# Altium PCB OneBox.PcbDoc (part 1 of 13)
Units mm, origin at the board's own origin, x right, y up, seen from the top; angles counter-clockwise.
Board outline 101 x 69 mm, 6 copper layers (L1_Sig, L2_Gnd, L3_Pow, L4_Sig, L5_Gnd, L6_Sig), stack 1.538 mm thick; 766 components, 563 nets, 3133 pads, 2914 vias.
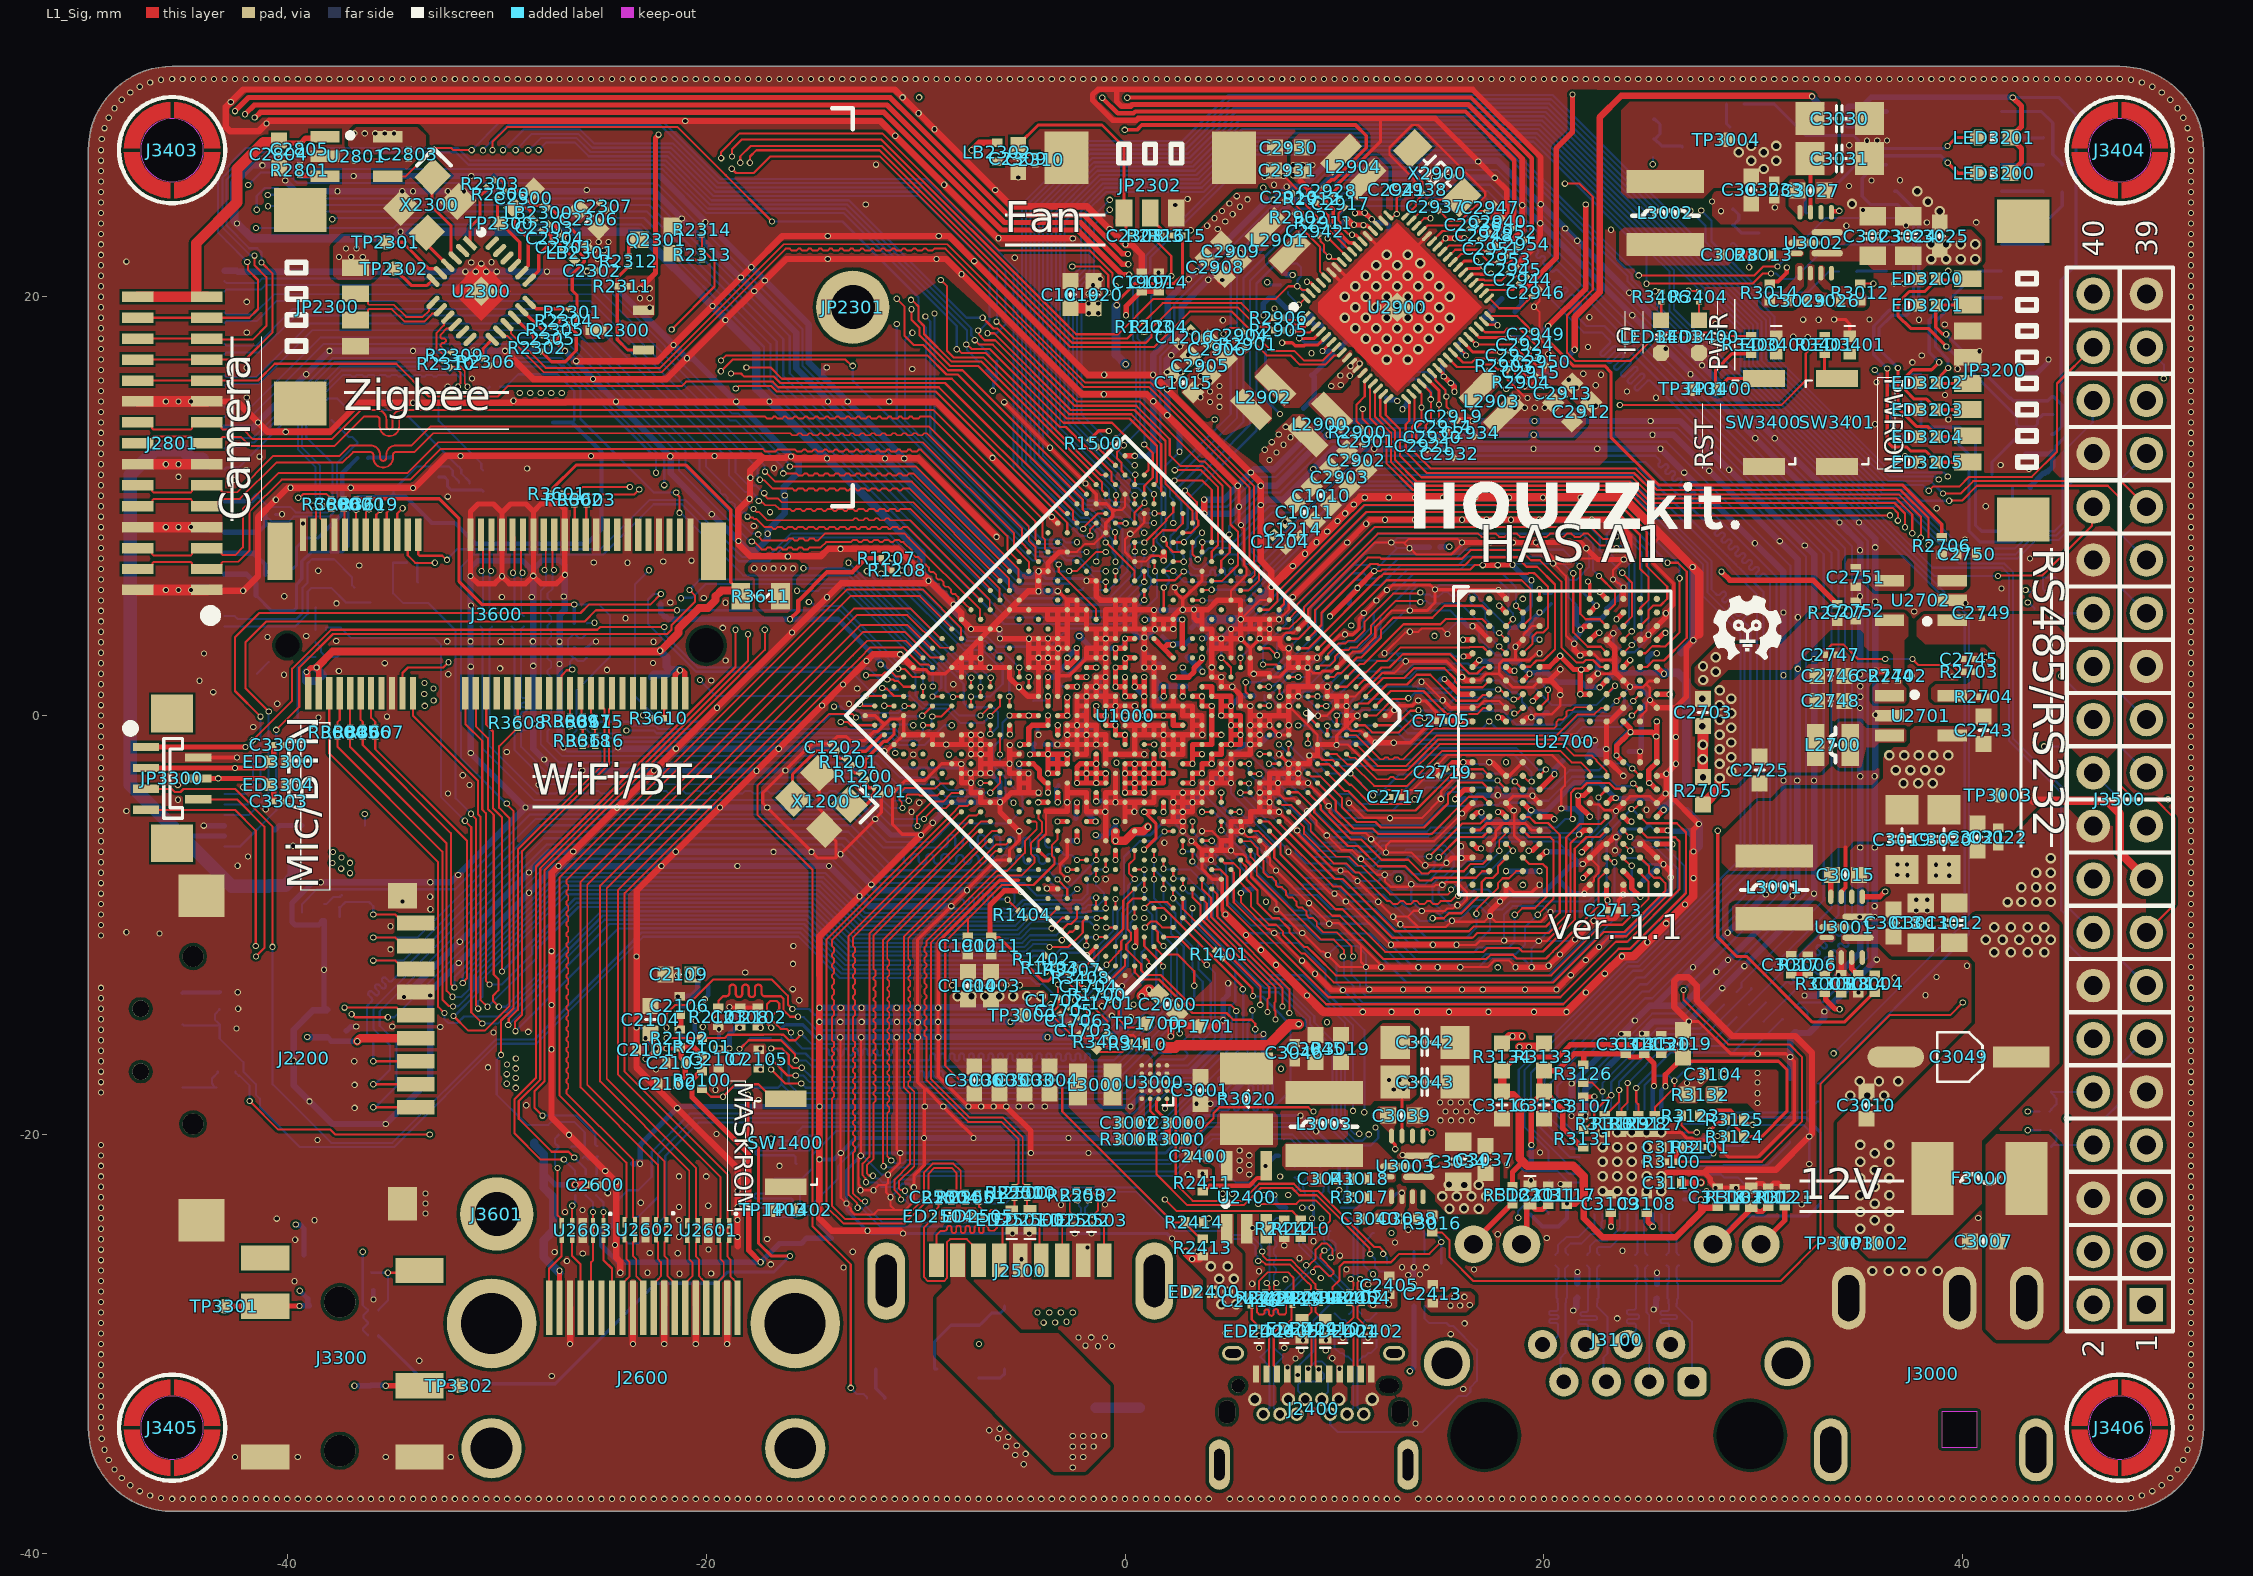
[diagram p0: L1_Sig view]
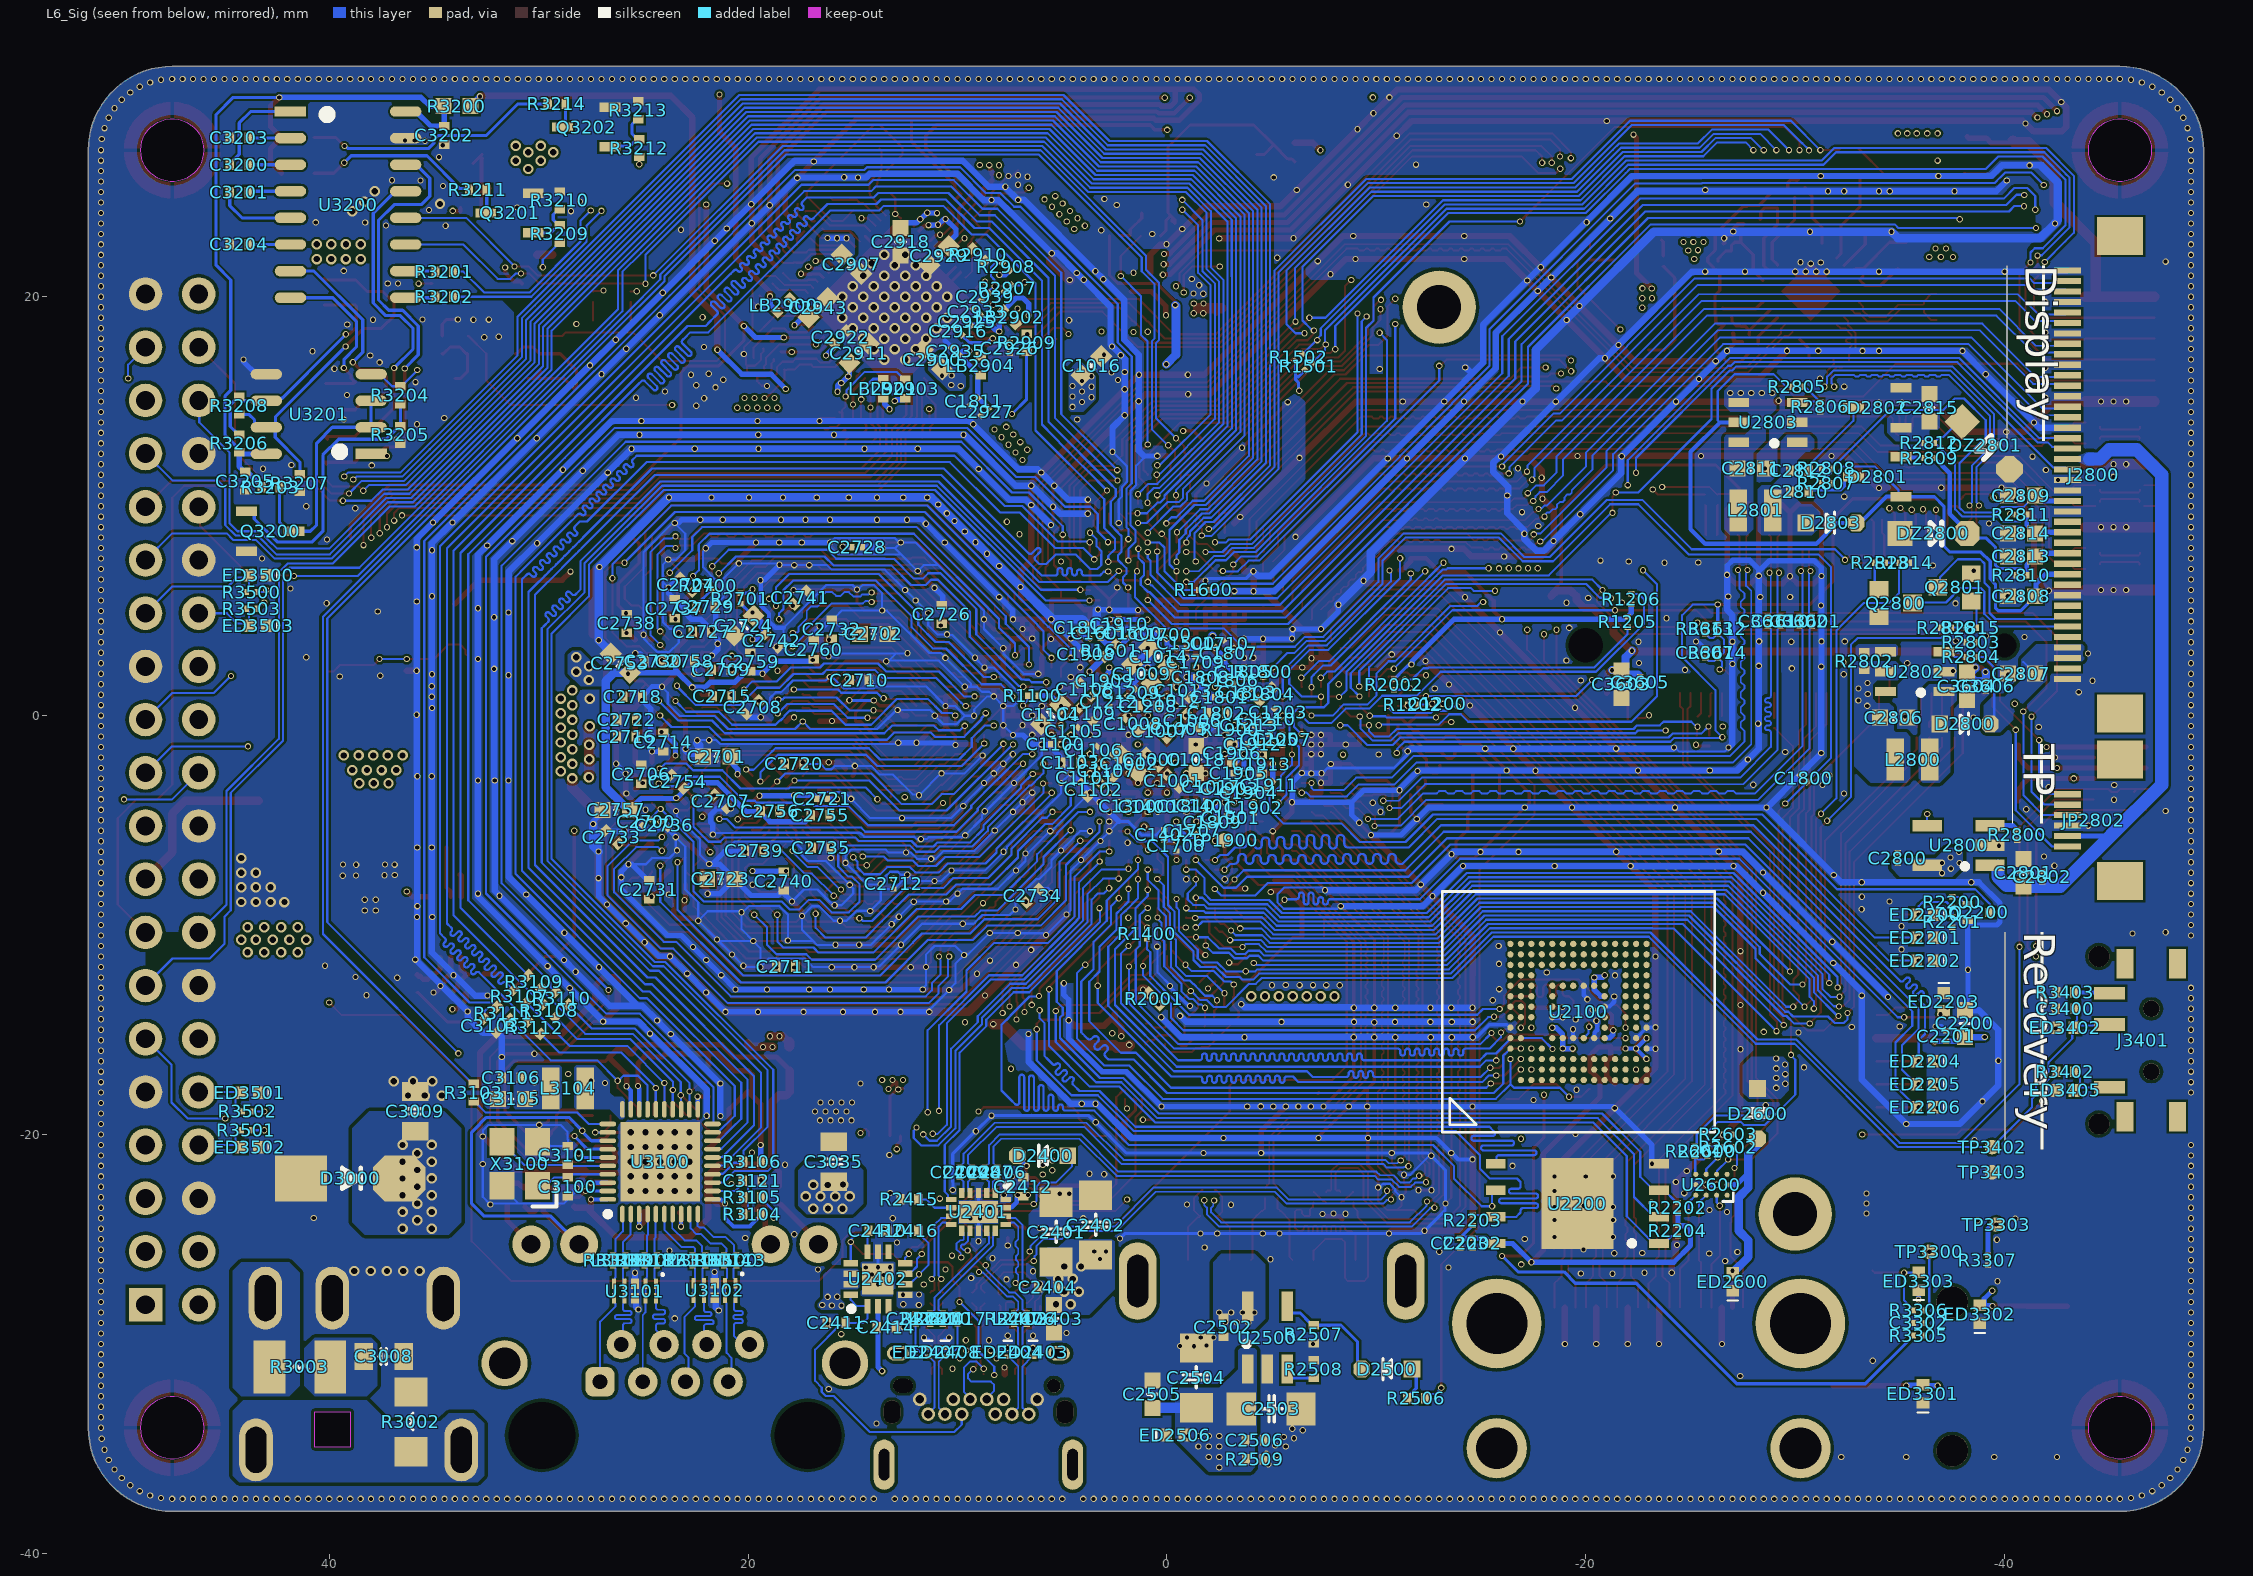
[diagram p1: L6_Sig view, seen from below]
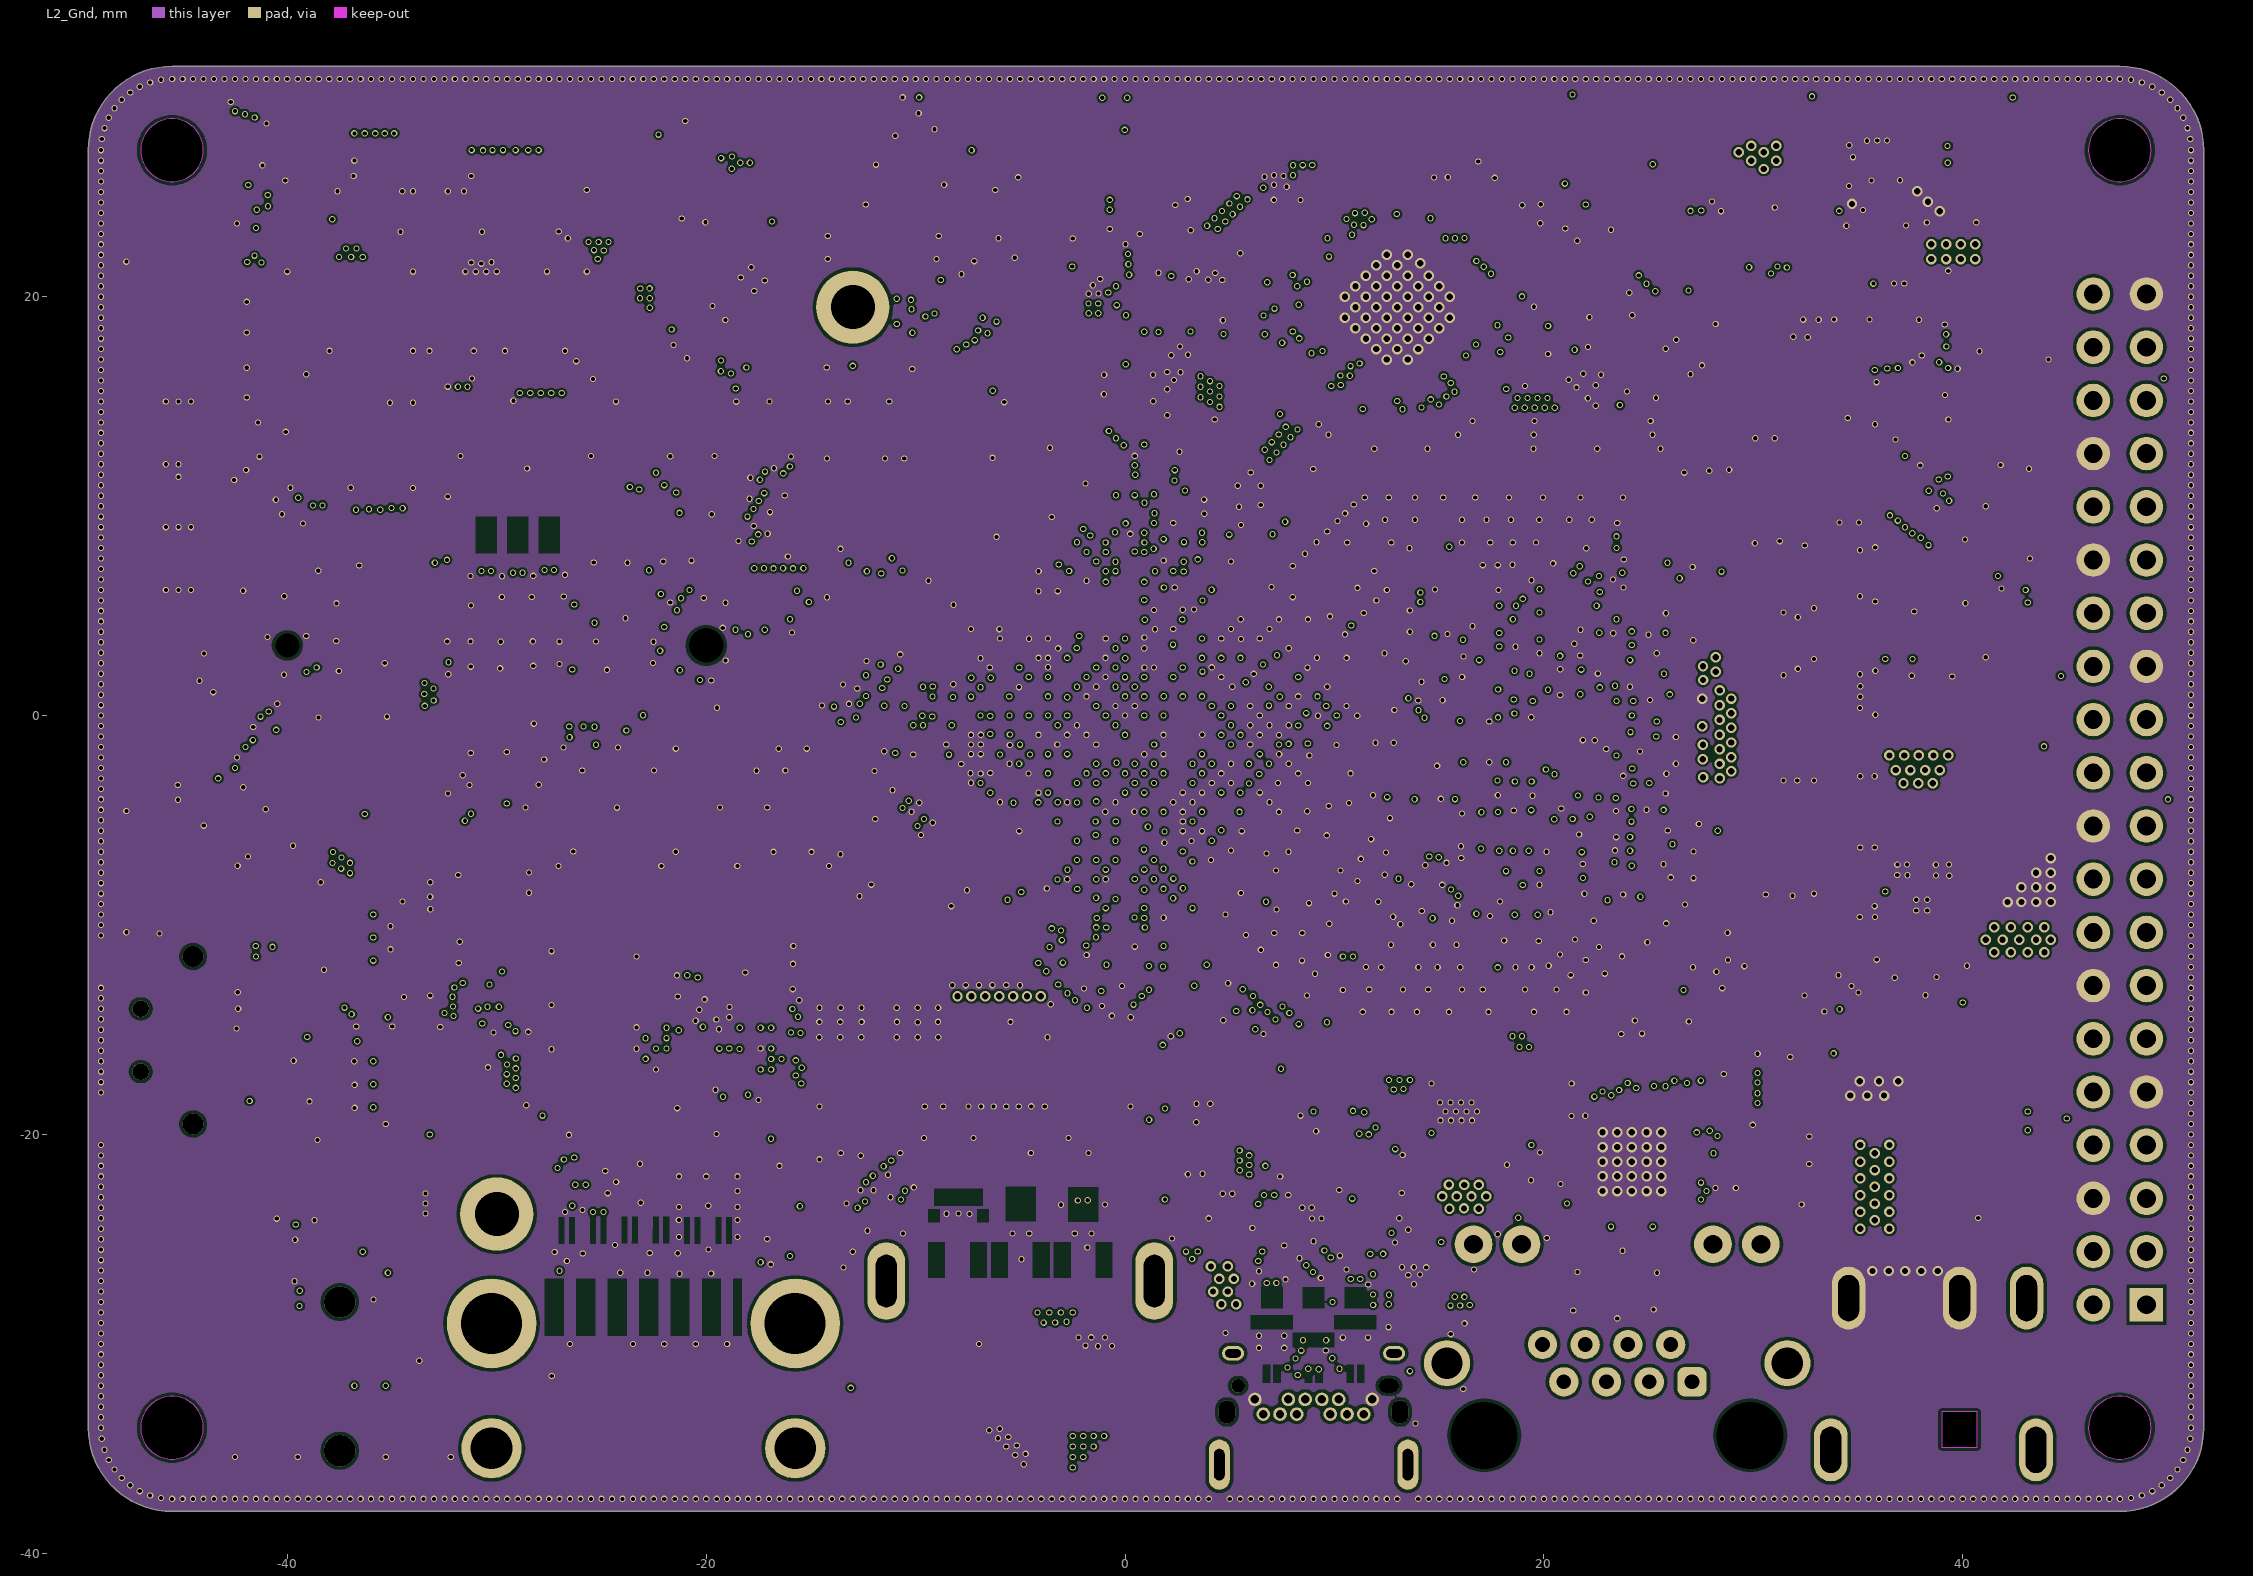
[diagram p2: L2_Gnd]
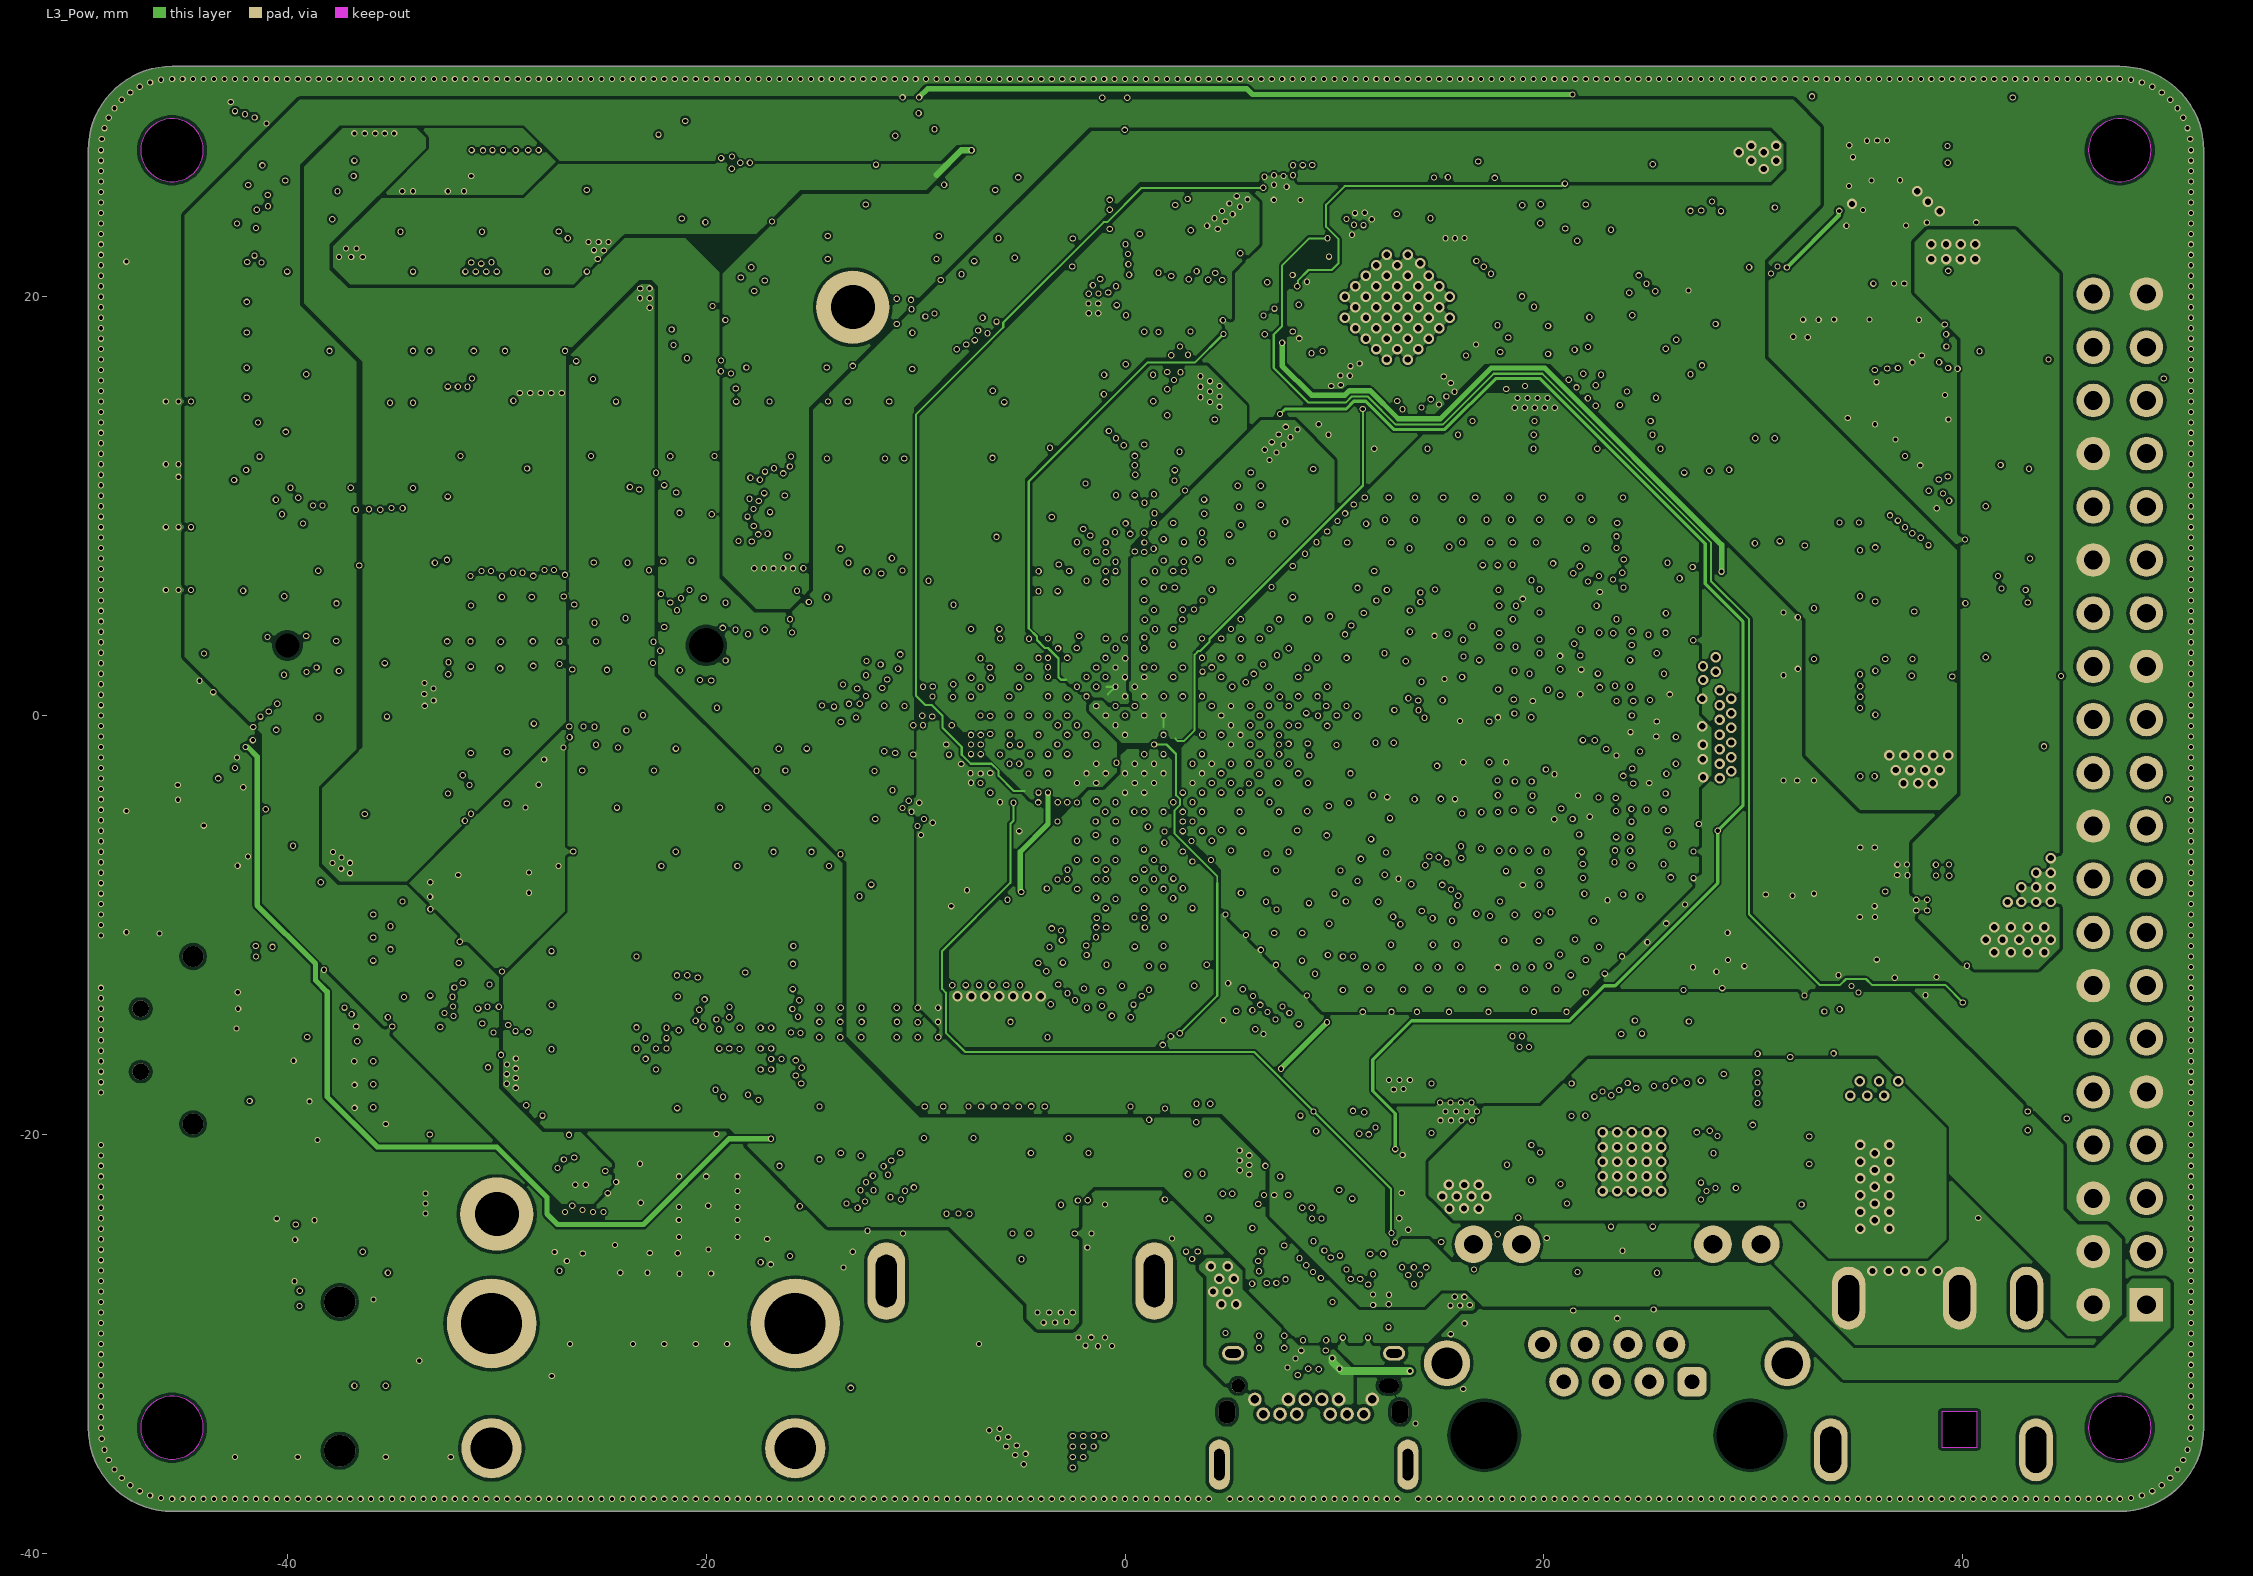
[diagram p3: L3_Pow]